# Altium PCB Mag256_9mm.PcbDoc (part 3 of 6) (continued)
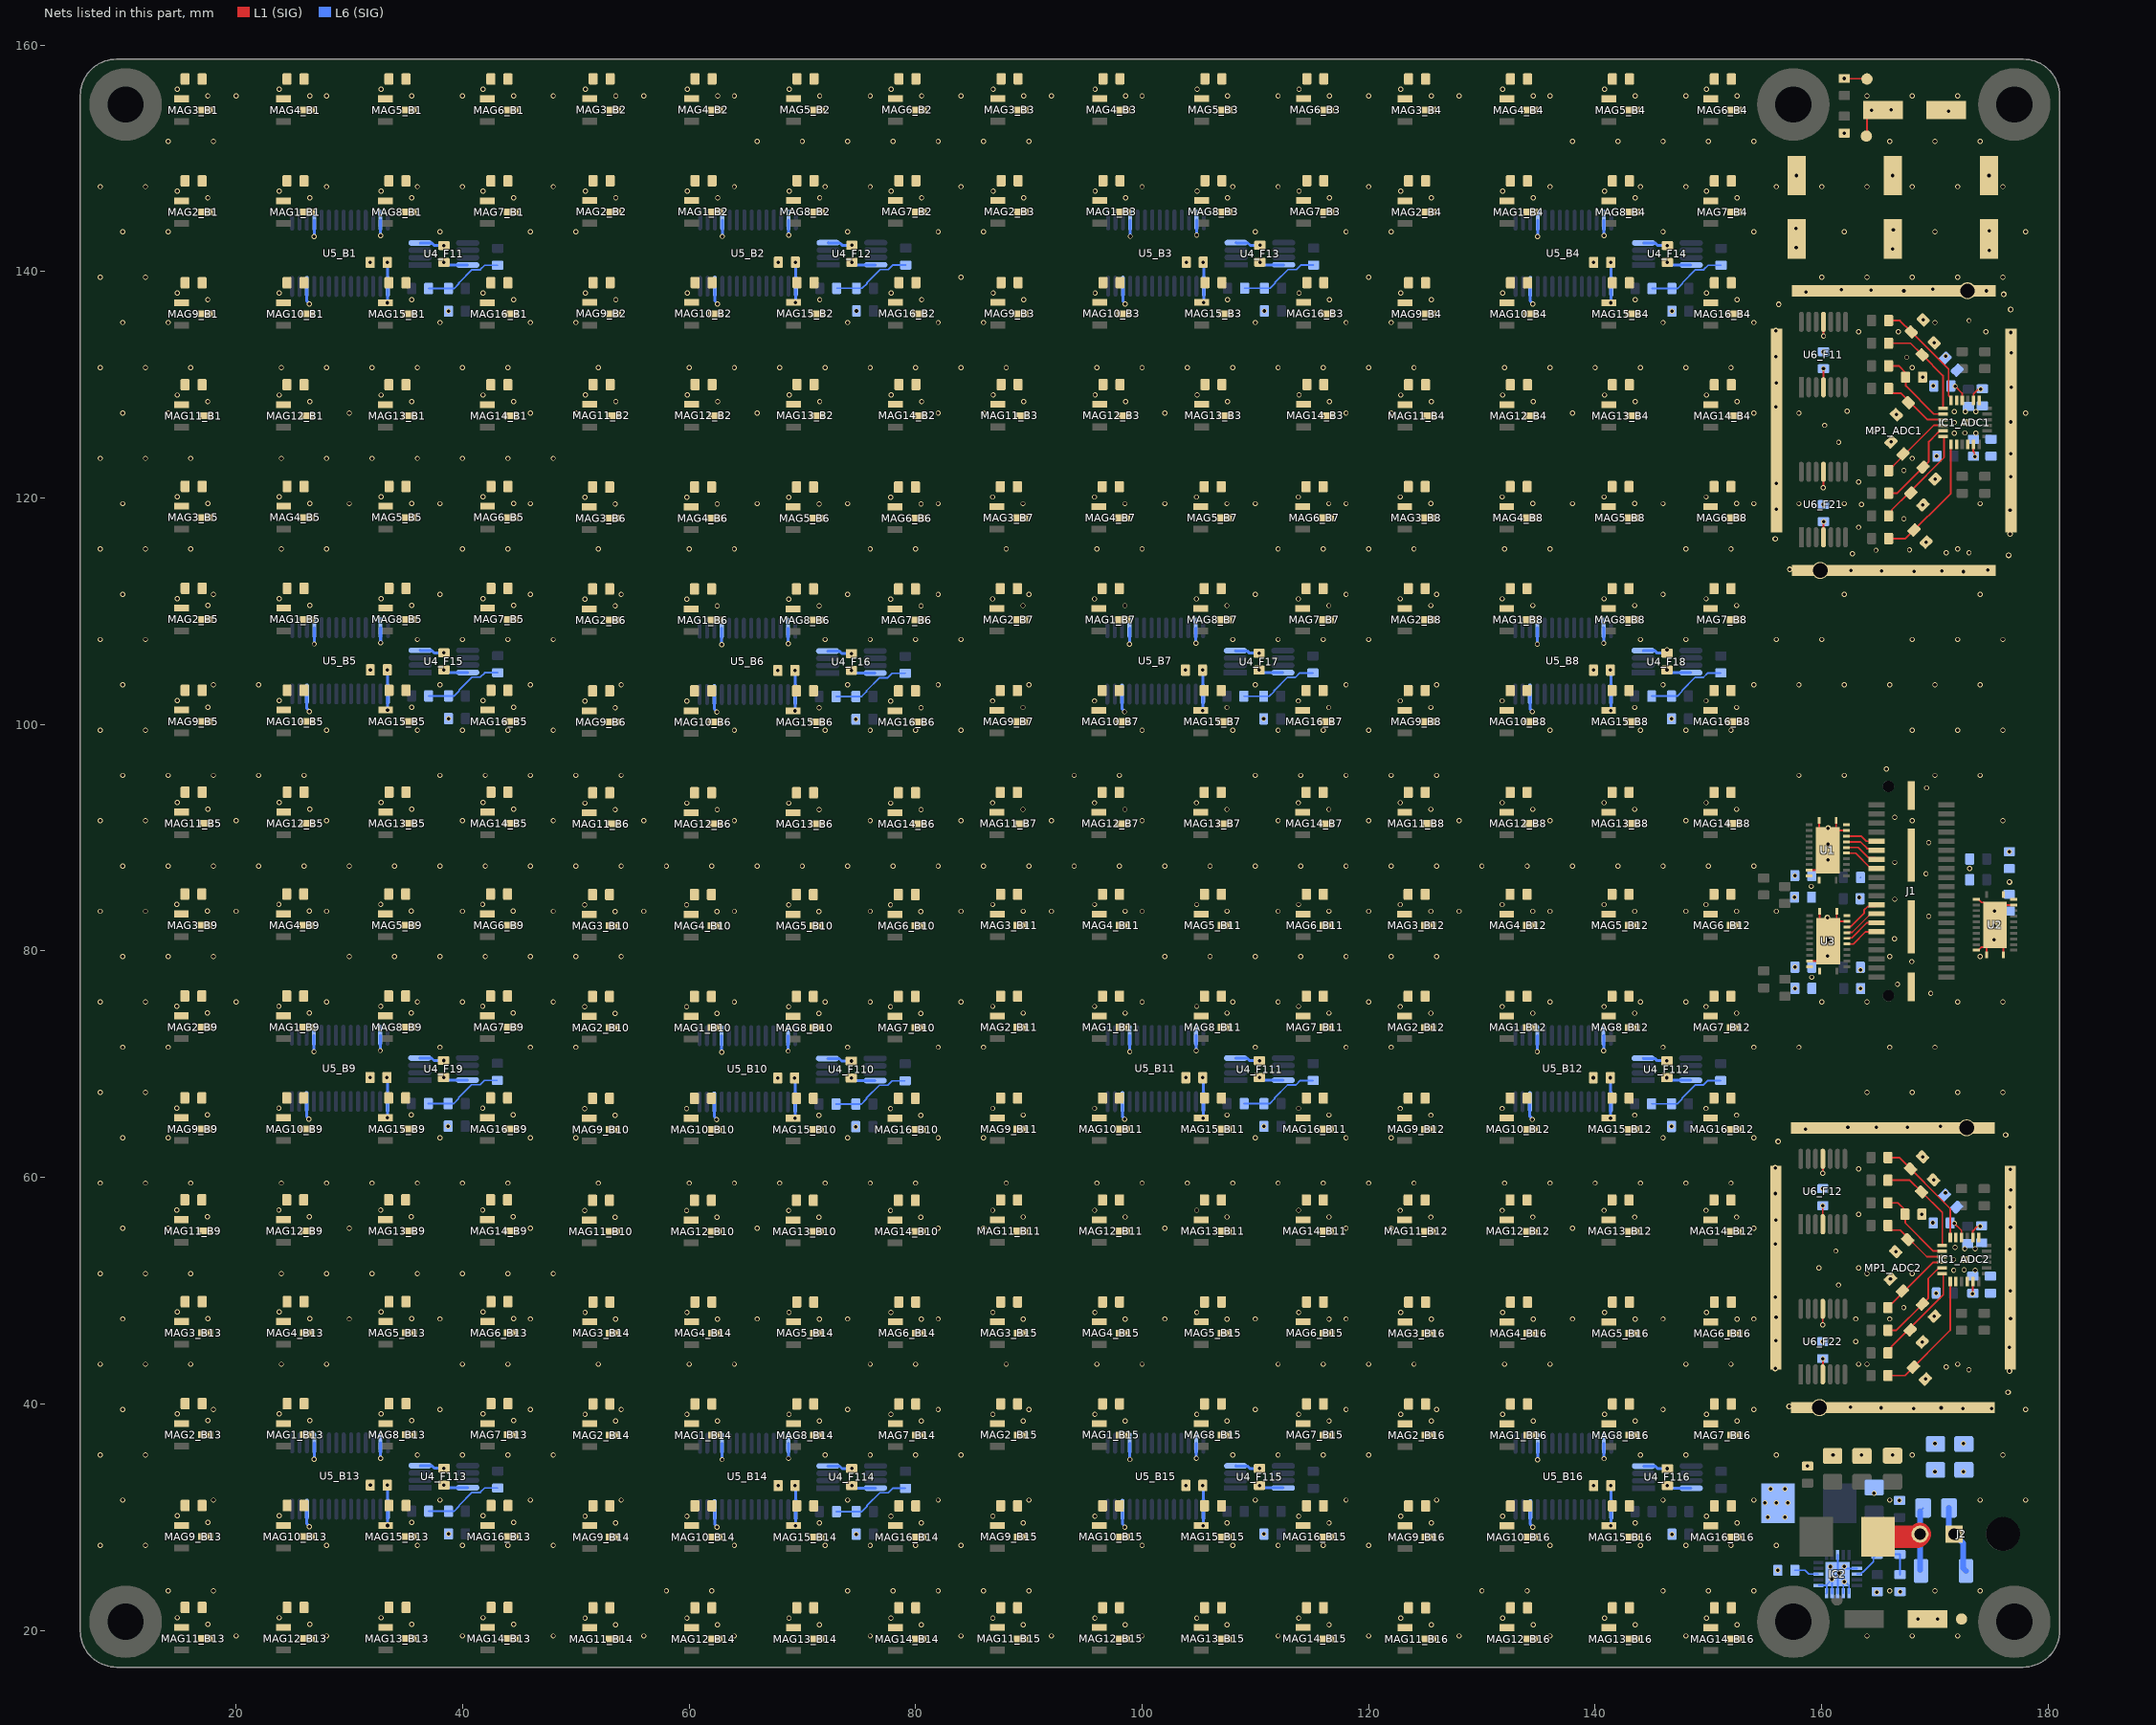
[diagram p7: the nets of this part, all layers, seen from the top]
## Nets (pads, with @x,y where several pads share a name; then routed paths per layer and width w, separated by ;. In a path a pad name is that pad's centre, name@x,y a point inside that pad or via, vN(x,y) a via of type N, cw(c..) or ccw(c..) an arc to the next point about the centre after c; other vN are vias at no path point) (continued)
  L1 (SIG) w0.152: U1.22@158.876,87.137 159.552,87.137 160.526,88.111 U1.25@160.526,88.887 ; U3.22@158.926,79.112 159.602,79.112 160.576,80.086 U3.25@160.576,80.862 ; U1.13@159.776,91.537 159.776,89.637 U1.25@160.526,88.887 ; U3.13@159.826,83.512 159.826,81.612 U3.25@160.576,80.862 ; v1(160.084,46.99) 160.092,46.998 160.092,48.383 U6_F22.11@160.1,48.391 ; U6_F12.11@160.1,61.641 160.103,61.638 160.103,60.375 v1(160.106,60.372) ; v1(160.14,120.909) 160.148,120.917 160.148,122.302 U6_F21.11@160.156,122.31 ; U6_F11.11@160.156,135.56 160.159,135.557 160.159,134.294 v1(160.162,134.291) ; U1.12@161.276,91.537 161.276,90.637 160.526,89.887 U1.25@160.526,88.887 ; U3.12@161.326,83.512 161.326,81.612 U3.25@160.576,80.862 ; U1.25@161.387,90.749 161.499,90.637 U1.10@162.176,90.637 ; U3.25@161.549,82.836 161.437,82.724 161.549,82.612 U3.10@162.226,82.612 ; U1.11@162.001,91.137 U1.11@162.176,91.137 ; v1(162,157.05) 162.02,157.03 163.97,157.03 TP2.1@164,157 ; U3.11@162.051,83.112 U3.11@162.226,83.112 ; U2.11@173.651,80.062 173.826,80.062 174.102,80.338 U2.25@174.327,80.338 ; U2.2@173.651,84.562 173.826,84.562 174.102,84.286 174.327,84.286 175.301,83.312 U2.25@175.301,83.088 ; U2.12@174.551,79.662 174.551,80.338 U2.25@174.327,80.338 ; U2.13@176.051,79.662 176.051,81.562 U2.25@175.301,82.312 ; U2.22@176.951,84.062 176.274,84.062 U2.25@175.301,83.088 ; U2.25@174.327,80.338 175.301,81.312 U2.25@175.301,82.312 ; U2.25@175.301,82.312 U2.25@175.301,83.088
  L6 (SIG) w0.152: IC2.11@159.716,23.967 160.331,23.967 160.333,23.968 160.418,23.968 IC2.21@160.455,24.006 ; IC2.10@160.416,23.267 160.455,23.306 IC2.21@160.455,24.006 ; v1(160.906,24.493) 160.455,24.042 IC2.21@160.455,24.006 ; IC2.9@160.916,23.267 160.916,24.467 IC2.21@161.416,24.967 ; IC2.8@161.416,23.267 161.416,23.968 IC2.21@161.416,24.967 ; IC2.18@161.416,26.667 IC2.21@161.416,24.967 ; IC2.7@161.916,23.267 IC2.21@161.916,24.467 ; IC2.6@162.416,23.267 162.416,23.967 IC2.21@161.916,24.467 ; IC2.2@163.116,25.467 161.916,25.467 IC2.21@161.416,24.967 ; v1(163.319,84.726) 163.319,84.694 C26.1@163.401,84.612 ; C25.1@163.413,86.475 C25.1@163.426,86.487 ; IC2.21@161.416,24.967 IC2.21@161.916,24.467
  L6 (SIG) w0.254: U5_B9.12@26.224,66.703 26.224,65.406 26.437,65.194 v1(26.437,65.141) ; U5_B1.12@26.251,138.683 26.251,137.386 26.464,137.173 v1(26.464,137.12) ; U5_B13.12@26.256,30.704 26.256,29.407 26.469,29.194 v1(26.469,29.141) ; U5_B5.12@26.257,102.703 26.257,101.406 26.47,101.193 v1(26.47,101.14) ; U5_B9.27@32.724,72.553 32.732,72.545 32.732,71.211 v1(32.74,71.203) ; U5_B1.27@32.751,144.533 32.759,144.525 32.759,143.191 v1(32.767,143.183) ; U5_B13.27@32.756,36.554 32.764,36.546 32.764,35.212 v1(32.772,35.204) ; U5_B5.27@32.757,108.553 32.765,108.545 32.765,107.211 v1(32.773,107.203) ; U4_F19.4@36.223,70.545 36.242,70.526 37.261,70.526 37.467,70.32 v1(38.323,70.32) ; U4_F11.4@36.25,142.525 36.269,142.506 37.288,142.506 37.494,142.3 v1(38.35,142.3) ; U4_F113.4@36.255,34.546 36.274,34.527 37.293,34.527 37.499,34.321 v1(38.355,34.321) ; U4_F15.4@36.256,106.545 36.275,106.526 37.294,106.526 37.5,106.32 v1(38.356,106.32) ; U5_B10.12@62.225,66.66 62.225,65.363 62.438,65.15 v1(62.438,65.097) ; U5_B6.12@62.235,102.648 62.235,101.351 62.447,101.139 v1(62.447,101.085) ; U5_B14.12@62.263,30.674 62.263,29.377 62.475,29.164 v1(62.475,29.111) ; U5_B2.12@62.28,138.701 62.28,137.403 62.492,137.191 v1(62.492,137.138) ; U5_B10.27@68.725,72.51 68.733,72.502 68.733,71.168 v1(68.741,71.16) ; U5_B6.27@68.735,108.498 68.743,108.49 68.743,107.156 v1(68.751,107.148) ; U5_B14.27@68.763,36.524 68.771,36.516 68.771,35.182 v1(68.779,35.174) ; U5_B2.27@68.78,144.551 68.788,144.543 68.788,143.209 v1(68.796,143.201) ; U4_F110.4@72.224,70.502 72.243,70.483 73.262,70.483 73.468,70.277 v1(74.324,70.277) ; U4_F16.4@72.233,106.49 72.252,106.471 73.271,106.471 73.477,106.265 v1(74.333,106.265) ; U4_F114.4@72.261,34.516 72.28,34.497 73.3,34.497 73.506,34.291 v1(74.362,34.291) ; U4_F12.4@72.278,142.543 72.297,142.524 73.317,142.524 73.523,142.318 v1(74.379,142.318) ; U5_B7.12@98.231,102.679 98.231,101.382 98.443,101.17 v1(98.443,101.117) ; U5_B11.12@98.257,66.69 98.257,65.392 98.469,65.18 v1(98.469,65.127) ; U5_B15.12@98.262,30.682 98.262,29.385 98.475,29.172 v1(98.475,29.119) ; U5_B3.12@98.299,138.702 98.299,137.405 98.511,137.193 v1(98.511,137.14) ; U5_B7.27@104.731,108.529 104.738,108.521 104.738,107.187 v1(104.746,107.179) ; U5_B11.27@104.757,72.54 104.765,72.532 104.765,71.198 v1(104.772,71.19) ; U5_B15.27@104.762,36.532 104.77,36.524 104.77,35.19 v1(104.778,35.182) ; U5_B3.27@104.799,144.552 104.807,144.545 104.807,143.211 v1(104.815,143.203) ; U4_F17.4@108.229,106.521 108.248,106.502 109.267,106.502 109.473,106.296 v1(110.329,106.296) ; U4_F111.4@108.255,70.532 108.274,70.513 109.293,70.513 109.499,70.307 v1(110.355,70.307) ; U4_F115.4@108.26,34.524 108.279,34.505 109.299,34.505 109.505,34.299 v1(110.361,34.299) ; U4_F13.4@108.297,142.545 108.316,142.526 109.336,142.526 109.542,142.32 v1(110.398,142.32) ; U5_B12.12@134.237,66.684 134.237,65.386 134.45,65.174 v1(134.45,65.121) ; U5_B8.12@134.243,102.684 134.243,101.387 134.455,101.174 v1(134.455,101.121) ; U5_B16.12@134.276,30.667 134.276,29.369 134.488,29.157 v1(134.488,29.104) ; U5_B4.12@134.274,138.683 134.274,137.386 134.487,137.174 v1(134.487,137.12) ; U5_B12.27@140.737,72.534 140.745,72.526 140.745,71.192 v1(140.753,71.184) ; U5_B8.27@140.743,108.534 140.751,108.526 140.751,107.192 v1(140.759,107.184) ; U5_B16.27@140.776,36.517 140.783,36.509 140.783,35.175 v1(140.791,35.167) ; U5_B4.27@140.774,144.533 140.782,144.525 140.782,143.191 v1(140.79,143.183) ; U4_F112.4@144.236,70.526 144.255,70.507 145.274,70.507 145.48,70.301 v1(146.336,70.301) ; U4_F18.4@144.241,106.526 144.26,106.507 145.28,106.507 145.486,106.301 146.017,106.301 146.315,106.6 v1(146.342,106.6) ; U4_F14.4@144.273,142.525 144.292,142.506 145.311,142.506 145.517,142.3 v1(146.373,142.3) ; U4_F116.4@144.274,34.509 144.293,34.49 145.312,34.49 145.518,34.284 v1(146.374,34.284)
  L6 (SIG) w0.5: C37.1@171.237,30.803 171.237,28.943 172.5,27.68 172.5,25.485 D1.A@172.735,25.25
  other v1: 20,19.5 28,19.5 40,19.5 48,19.5 56,19.5 64,19.5 76,19.5 84,19.5 92,19.5 100,19.5 112,19.5 120,19.5 128,19.5 136,19.5 148,19.5 164,19.5 168,19.5 172,19.5 53.512,20.491 62.512,20.491 71.512,20.491 80.512,20.491 125.524,20.484 134.524,20.484 143.524,20.484 152.524,20.484 17.505,20.521 26.505,20.521 35.505,20.521 44.505,20.521 89.511,20.499 98.511,20.499 107.511,20.499 116.511,20.499 168.5,21 170.25,21 166.922,23.399 14,23.5 18,23.5 58,23.5 62,23.5 74,23.5 78,23.5 82,23.5 86,23.5 90,23.5 130,23.5 134,23.5 146,23.5 150,23.5 154,23.5 166,23.5 170,23.5 174,23.5 161.99,24.285 161.544,25.038 156.111,25.296 160.776,25.622 162.006,25.63 8,27.5 12,27.5 28,27.5 36,27.5 40,27.5 44,27.5 48,27.5 64,27.5 72,27.5 76,27.5 80,27.5 84,27.5 100,27.5 108,27.5 112,27.5 116,27.5 120,27.5 136,27.5 144,27.5 148,27.5 152,27.5 156,27.5 74.762,28.491 146.774,28.484 38.755,28.521 110.761,28.499 125.524,29.484 143.524,29.484 152.524,29.484 53.512,29.491 71.512,29.491 80.512,29.491 89.511,29.499 107.511,29.499 116.511,29.499 17.505,29.521 35.505,29.521 44.505,29.521 166.872,31.471 10,31.5 18,31.5 38,31.5 46,31.5 54,31.5 74,31.5 82,31.5 90,31.5 110,31.5 118,31.5 126,31.5 146,31.5 154,31.5 166,31.5 174,31.5 178,31.5 164.633,32.107 139.874,32.784 67.862,32.791 103.861,32.799 31.855,32.821 170,34 172.5,34 158.75,34.5 8,35.5 12,35.5 36,35.5 40,35.5 44,35.5 48,35.5 72,35.5 76,35.5 80,35.5 84,35.5 108,35.5 112,35.5 116,35.5 120,35.5 144,35.5 148,35.5 156,35.5 161,35.5 163.5,35.5 166.25,35.5 168,35.5 176,35.5 53.512,38.491 62.512,38.491 71.512,38.491 80.512,38.491 89.511,38.499 98.511,38.499 107.511,38.499 116.511,38.499 125.524,38.484 134.524,38.484 143.524,38.484 152.524,38.484 17.505,38.521 26.505,38.521 35.505,38.521 44.505,38.521 10,39.5 18,39.5 38,39.5 46,39.5 54,39.5 74,39.5 82,39.5 90,39.5 110,39.5 118,39.5 126,39.5 146,39.5 154,39.5 178,39.5 169.161,42.189 173,43 171,43.25 8,43.5 12,43.5 16,43.5 24,43.5 28,43.5 40,43.5 44,43.5 52,43.5 60,43.5 64,43.5 76,43.5 80,43.5 88,43.5 96,43.5 100,43.5 112,43.5 116,43.5 120,43.5 124,43.5 132,43.5 136,43.5 148,43.5 152,43.5 163.25,43.5 164,43.5 172,43.5 168.88,45.47 160.1,45.5 163,45.5 53.512,47.491 62.512,47.491 71.512,47.491 80.512,47.491 125.524,47.484 134.524,47.484 143.524,47.484 152.524,47.484 10,47.5 17.505,47.521 26.505,47.521 30,47.5 35.505,47.521 38,47.5 44.505,47.521 46,47.5 66,47.5 74,47.5 82,47.5 89.511,47.499 98.511,47.499 102,47.5 107.511,47.499 110,47.5 116.511,47.499 118,47.5 138,47.5 146,47.5 154,47.5 163,47.5 166,47.5 169.955,47.748 167.25,48.5 170.095,49.779 161.5,50.5 166.07,51.03 8,51.5 12,51.5 16,51.5 24,51.5 28,51.5 32,51.5 36,51.5 40,51.5 44,51.5 48,51.5 164,51.5 168,51.5 171.65,51.8 173.55,51.8 172.575,51.825 159.75,52 163.25,52 171.65,52.75 172.6,52.75 173.5,52.75 166.539,53.439 161.25,53.5 172.625,53.7 173.55,53.7 171.775,53.825 10,55.5 14,55.5 30,55.5 46,55.5 66,55.5 82,55.5 86,55.5 102,55.5 118,55.5 122,55.5 138,55.5 154,55.5 169.8,56 53.474,56.477 62.474,56.477 71.474,56.477 80.474,56.477 89.505,56.507 98.505,56.507 107.505,56.507 116.505,56.507 125.486,56.501 134.486,56.501 143.486,56.501 152.486,56.501 17.473,56.52 26.473,56.52 35.473,56.52 44.473,56.52 163.25,56.75 168.85,56.75 170.931,58.656 160.1,59 8,59.5 12,59.5 16,59.5 24,59.5 28,59.5 32,59.5 36,59.5 40,59.5 44,59.5 52,59.5 60,59.5 64,59.5 68,59.5 72,59.5 76,59.5 80,59.5 88,59.5 96,59.5 100,59.5 104,59.5 108,59.5 112,59.5 116,59.5 120,59.5 124,59.5 132,59.5 136,59.5 140,59.5 144,59.5 148,59.5 152,59.5 169.88,59.78 163.25,60.75 168.911,61.811 10,63.5 14,63.5 38,63.5 46,63.5 50,63.5 74,63.5 82,63.5 86,63.5 110,63.5 118,63.5 122,63.5 146,63.5 154,63.5 74.724,64.477 110.755,64.507 146.736,64.501 38.723,64.52 53.474,65.477 71.474,65.477 80.474,65.477 125.486,65.501 143.486,65.501 152.486,65.501 17.473,65.52 35.473,65.52 44.473,65.52 89.505,65.507 107.505,65.507 116.505,65.507 8,67.5 12,67.5 164,67.5 168,67.5 172,67.5 176,67.5 67.824,68.777 103.855,68.807 139.836,68.801 31.823,68.82 10,71.5 14,71.5 38,71.5 46,71.5 50,71.5 74,71.5 82,71.5 86,71.5 110,71.5 118,71.5 122,71.5 146,71.5 154,71.5 158,71.5 166,71.5 170,71.5 53.474,74.477 62.474,74.477 71.474,74.477 80.474,74.477 17.473,74.52 26.473,74.52 35.473,74.52 44.473,74.52 89.505,74.507 98.505,74.507 107.505,74.507 116.505,74.507 125.486,74.501 134.486,74.501 143.486,74.501 152.486,74.501 8,75.5 12,75.5 20,75.5 28,75.5 36,75.5 40,75.5 48,75.5 64,75.5 72,75.5 76,75.5 84,75.5 100,75.5 108,75.5 112,75.5 120,75.5 136,75.5 144,75.5 148,75.5 160,75.5 164,75.5 172,75.5 176,75.5 169.626,76.267 163.44,76.68 157.636,76.694 166.701,77.062 163.426,78.337 157.637,78.569 167.951,79.062 10,79.5 14,79.5 18,79.5 30,79.5 34,79.5 38,79.5 42,79.5 46,79.5 50,79.5 54,79.5 102,79.5 106,79.5 110,79.5 114,79.5 118,79.5 122,79.5 126,79.5 166,79.5 174,79.5 166.429,81.074 169.451,83.062 53.474,83.477 62.474,83.477 71.474,83.477 80.474,83.477 8,83.5 12,83.5 20,83.5 28,83.5 40,83.5 48,83.5 56,83.5 64,83.5 76,83.5 84,83.5 89.505,83.507 92,83.5 98.505,83.507 100,83.5 107.505,83.507 112,83.5 116.505,83.507 120,83.5 125.486,83.501 128,83.5 134.486,83.501 136,83.5 143.486,83.501 148,83.5 152.486,83.501 156,83.5 17.473,83.52 26.473,83.52 35.473,83.52 44.473,83.52 166.451,84.562 157.6,84.746 157.625,86.646 169.201,86.812 173.076,87.287 10,87.5 14,87.5 18,87.5 22,87.5 26,87.5 30,87.5 34,87.5 38,87.5 42,87.5 46,87.5 50,87.5 54,87.5 58,87.5 62,87.5 66,87.5 70,87.5 74,87.5 78,87.5 82,87.5 86,87.5 90,87.5 94,87.5 98,87.5 102,87.5 106,87.5 110,87.5 114,87.5 118,87.5 122,87.5 126,87.5 130,87.5 134,87.5 138,87.5 142,87.5 146,87.5 150,87.5 154,87.5 166.451,87.812 176.576,88.762 169.451,89.562 8,91.5 12,91.5 20,91.5 28,91.5 40,91.5 48,91.5 56,91.5 64,91.5 76,91.5 84,91.5 92,91.5 100,91.5 112,91.5 120,91.5 128,91.5 136,91.5 148,91.5 168,91.5 176,91.5 166.451,91.812 53.483,92.465 62.483,92.465 71.483,92.465 80.483,92.465 89.479,92.496 98.479,92.496 107.479,92.496 116.479,92.496 125.492,92.501 134.492,92.501 143.492,92.501 152.492,92.501 17.506,92.52 26.506,92.52 35.506,92.52 44.506,92.52 169.264,94.398 10,95.5 14,95.5 18,95.5 22,95.5 26,95.5 38,95.5 42,95.5 46,95.5 50,95.5 54,95.5 94,95.5 98,95.5 110,95.5 114,95.5 118,95.5 122,95.5 126,95.5 158,95.5 162,95.5 170,95.5 174,95.5 165.701,96.062 8,99.5 12,99.5 28,99.5 36,99.5 40,99.5 44,99.5 48,99.5 64,99.5 72,99.5 76,99.5 80,99.5 84,99.5 100,99.5 108,99.5 112,99.5 116,99.5 120,99.5 136,99.5 144,99.5 148,99.5 152,99.5 168,99.5 172,99.5 176,99.5 74.733,100.465 110.729,100.496 146.742,100.501 38.756,100.52 53.483,101.465 71.483,101.465 80.483,101.465 89.479,101.496 107.479,101.496 116.479,101.496 17.506,101.52 35.506,101.52 44.506,101.52 125.492,101.501 143.492,101.501 152.492,101.501 10,103.5 18,103.5 22,103.5 38,103.5 46,103.5 54,103.5 74,103.5 82,103.5 90,103.5 110,103.5 118,103.5 126,103.5 146,103.5 154,103.5 158,103.5 162,103.5 166,103.5 170,103.5 174,103.5 67.833,104.765 103.829,104.796 31.856,104.82 139.842,104.801 8,107.5 12,107.5 36,107.5 40,107.5 44,107.5 48,107.5 72,107.5 76,107.5 80,107.5 84,107.5 108,107.5 112,107.5 116,107.5 120,107.5 144,107.5 148,107.5 156,107.5 160,107.5 168,107.5 172,107.5 176,107.5 53.483,110.465 62.483,110.465 71.483,110.465 80.483,110.465 89.479,110.496 98.479,110.496 107.479,110.496 116.479,110.496 125.492,110.501 134.492,110.501 143.492,110.501 152.492,110.501 17.506,110.52 26.506,110.52 35.506,110.52 44.506,110.52 10,111.5 18,111.5 38,111.5 46,111.5 54,111.5 74,111.5 82,111.5 90,111.5 110,111.5 118,111.5 126,111.5 146,111.5 162,111.5 174,111.5 162.721,115.083 171.006,115.169 173.006,115.169 164.801,115.393 167.756,115.419 8,115.5 12,115.5 16,115.5 24,115.5 28,115.5 40,115.5 44,115.5 52,115.5 60,115.5 64,115.5 76,115.5 80,115.5 88,115.5 96,115.5 100,115.5 112,115.5 116,115.5 120,115.5 124,115.5 132,115.5 136,115.5 148,115.5 152,115.5 172,115.5 169.217,116.108 163.256,117.419 167.256,118.169 168.936,119.388 160.156,119.419 163.506,119.419 53.483,119.465 62.483,119.465 71.483,119.465 80.483,119.465 10,119.5 30,119.5 38,119.5 46,119.5 66,119.5 74,119.5 82,119.5 89.479,119.496 98.479,119.496 102,119.5 107.479,119.496 110,119.5 116.479,119.496 118,119.5 125.492,119.501 134.492,119.501 138,119.5 143.492,119.501 146,119.5 152.492,119.501 154,119.5 158,119.5 162,119.5 174,119.5 17.506,119.52 26.506,119.52 35.506,119.52 44.506,119.52 163.256,121.419 170.011,121.667 167.256,122.419 8,123.5 12,123.5 16,123.5 24,123.5 28,123.5 32,123.5 36,123.5 40,123.5 44,123.5 48,123.5 168,123.5 170.151,123.698 161.506,124.919 166.126,124.949 171.706,125.719 173.606,125.719 172.631,125.744 164.506,125.919 160.256,126.419 171.706,126.669 172.656,126.669 173.556,126.669 166.595,127.358 10,127.5 14,127.5 30,127.5 46,127.5 50,127.5 66,127.5 82,127.5 86,127.5 102,127.5 118,127.5 122,127.5 138,127.5 154,127.5 158,127.5 178,127.5 171.706,127.619 172.681,127.619 173.606,127.619 162.256,127.669 17.5,128.5 26.5,128.5 35.5,128.5 44.5,128.5 53.529,128.518 62.529,128.518 71.529,128.518 80.529,128.518 89.548,128.52 98.548,128.52 107.548,128.52 116.548,128.52 125.523,128.5 134.523,128.5 143.523,128.5 152.523,128.5 176.731,129.769 169.856,129.919 168.906,130.669 8,131.5 12,131.5 16,131.5 24,131.5 28,131.5 32,131.5 36,131.5 40,131.5 44,131.5 52,131.5 60,131.5 64,131.5 68,131.5 72,131.5 76,131.5 80,131.5 84,131.5 88,131.5 96,131.5 100,131.5 104,131.5 108,131.5 112,131.5 116,131.5 120,131.5 124,131.5 132,131.5 136,131.5 140,131.5 144,131.5 148,131.5 152,131.5 168,131.5 167.506,132.419 170.956,132.544 160.156,132.919 169.936,133.699 163.256,134.669 166.756,134.669 174.506,134.669 10,135.5 14,135.5 38,135.5 46,135.5 50,135.5 74,135.5 82,135.5 86,135.5 110,135.5 118,135.5 122,135.5 146,135.5 154,135.5 170,135.5 173.006,135.669 168.967,135.729 38.75,136.5 74.779,136.518 110.798,136.52 146.773,136.5 17.5,137.5 35.5,137.5 44.5,137.5 125.523,137.5 143.523,137.5 152.523,137.5 53.529,137.518 71.529,137.518 80.529,137.518 89.548,137.52 107.548,137.52 116.548,137.52 8,139.5 12,139.5 84,139.5 120,139.5 160,139.5 164,139.5 168,139.5 172,139.5 176,139.5 31.85,140.8 139.873,140.8 67.879,140.818 103.898,140.82 10,143.5 14,143.5 38,143.5 46,143.5 50,143.5 74,143.5 82,143.5 86,143.5 110,143.5 118,143.5 122,143.5 146,143.5 154,143.5 162,143.5 170,143.5 178,143.5 17.5,146.5 26.5,146.5 35.5,146.5 44.5,146.5 125.523,146.5 134.523,146.5 143.523,146.5 152.523,146.5 53.529,146.518 62.529,146.518 71.529,146.518 80.529,146.518 89.548,146.52 98.548,146.52 107.548,146.52 116.548,146.52 8,147.5 12,147.5 28,147.5 36,147.5 40,147.5 48,147.5 64,147.5 72,147.5 76,147.5 84,147.5 100,147.5 108,147.5 112,147.5 120,147.5 136,147.5 144,147.5 148,147.5 156,147.5 160,147.5 164,147.5 168,147.5 172,147.5 176,147.5 14,151.5 18,151.5 66,151.5 70,151.5 74,151.5 78,151.5 82,151.5 86,151.5 90,151.5 138,151.5 142,151.5 146,151.5 150,151.5 154,151.5 166,151.5 170,151.5 174,151.5 17.5,155.5 20,155.5 26.5,155.5 28,155.5 35.5,155.5 40,155.5 44.5,155.5 48,155.5 53.529,155.518 56,155.5 62.529,155.518 64,155.5 71.529,155.518 76,155.5 80.529,155.518 84,155.5 89.548,155.52 92,155.5 98.548,155.52 100,155.5 107.548,155.52 112,155.5 116.548,155.52 120,155.5 125.523,155.5 128,155.5 134.523,155.5 136,155.5 143.523,155.5 148,155.5 152.523,155.5 164,155.5 168,155.5 172,155.5
  other v2: 172.475,39.575 175,39.575 168.125,39.6 165.25,39.65 170.55,39.65 162.525,39.7 157.125,39.775 176.45,41.025 176.575,42.9 155.9,43.125 176.575,45 155.95,45.575 176.675,47.525 155.975,47.65 155.925,49.425 176.65,49.975 176.6,53.65 155.9,54.125 176.675,55.6 155.95,56.225 176.625,57.375 155.9,58.575 176.7,58.9 176.65,60.7 155.9,60.85 156.15,63.175 176.25,63.75 158.575,64.275 162.313,64.411 164.813,64.411 167.563,64.411 170.5,64.5 160.525,79.541 160.542,80.965 175.226,80.987 175.226,82.237 160.498,82.941 175.251,83.512 160.54,88.031 160.557,89.446 160.565,90.844 172.531,113.494 168.181,113.519 165.306,113.569 170.606,113.569 162.581,113.619 174.656,113.644 157.181,113.694 176.506,114.944 155.904,116.387 176.631,116.819 176.631,118.919 156,119 156.01,121.277 176.706,121.869 176.706,123.894 176.706,126.719 155.956,128.044 156.006,130.144 155.956,132.494 176.756,132.819 176.706,134.619 155.956,134.769 176.681,136.644 156.206,137.094 176.081,137.994 158.631,138.194 167.256,138.294 174.556,138.294 164.356,138.344 161.756,138.394 169.806,138.444 157.775,148.475 166.275,148.475 174.775,148.475 171.2,154.15
NetC45_1: C45.1 IC2.3 R9.1 R11.2 | length 6.5
  L6 (SIG) w0.152: IC2.3@163.116,24.967 163.416,24.967 163.601,25.152 163.635,25.152 164.565,26.082 164.565,26.393 164.887,26.715 C45.1@164.889,26.715 R9.1@166.904,26.715 166.91,26.709 166.91,24.923 R11.2@166.916,24.917
NetC48_2: C48.2 IC2.13 | length 2.2
  L6 (SIG) w0.152: C48.2@157.629,25.305 158.515,25.305 158.852,24.967 IC2.13@159.716,24.967
NetC53_F11_1: C53_F11.1 R13_F11.1 R14_F11.2 | length 7
  L6 (SIG) w0.152: R13_F11.1@37,138.5 R14_F11.2@38.75,138.5 39.25,138.5 39.685,138.935 39.685,139.01 40.835,140.16 41.561,140.16 41.952,140.55 C53_F11.1@43.1,140.55
NetC53_F12_1: C53_F12.1 R13_F12.1 R14_F12.2 | length 7
  L6 (SIG) w0.152: R13_F12.1@73.029,138.518 R14_F12.2@74.779,138.518 75.279,138.518 75.714,138.953 75.714,139.027 76.864,140.178 77.59,140.178 77.98,140.568 C53_F12.1@79.129,140.568
NetC53_F13_1: C53_F13.1 R13_F13.1 R14_F13.2 | length 7
  L6 (SIG) w0.152: R13_F13.1@109.048,138.52 R14_F13.2@110.798,138.52 111.298,138.52 111.733,138.954 111.733,139.029 112.883,140.179 113.609,140.179 113.999,140.57 C53_F13.1@115.148,140.57
NetC53_F14_1: C53_F14.1 R13_F14.1 R14_F14.2 | length 7
  L6 (SIG) w0.152: R13_F14.1@145.023,138.5 R14_F14.2@146.773,138.5 147.273,138.5 147.708,138.935 147.708,139.01 148.858,140.16 149.584,140.16 149.975,140.55 C53_F14.1@151.123,140.55
NetC53_F15_1: C53_F15.1 R13_F15.1 R14_F15.2 | length 7
  L6 (SIG) w0.152: R13_F15.1@37.006,102.52 R14_F15.2@38.756,102.52 39.256,102.52 39.691,102.955 39.691,103.03 40.841,104.18 41.567,104.18 41.958,104.57 C53_F15.1@43.106,104.57
NetC53_F16_1: C53_F16.1 R13_F16.1 R14_F16.2 | length 7
  L6 (SIG) w0.152: R13_F16.1@72.983,102.465 R14_F16.2@74.733,102.465 75.233,102.465 75.668,102.9 75.668,102.975 76.818,104.125 77.545,104.125 77.935,104.515 C53_F16.1@79.083,104.515
NetC53_F17_1: C53_F17.1 R13_F17.1 R14_F17.2 | length 7
  L6 (SIG) w0.152: R13_F17.1@108.979,102.496 R14_F17.2@110.729,102.496 111.229,102.496 111.664,102.931 111.664,103.006 112.814,104.156 113.541,104.156 113.931,104.546 C53_F17.1@115.079,104.546
NetC53_F18_1: C53_F18.1 R13_F18.1 R14_F18.2 | length 7
  L6 (SIG) w0.152: R13_F18.1@144.992,102.501 R14_F18.2@146.742,102.501 147.242,102.501 147.677,102.936 147.677,103.011 148.827,104.161 149.553,104.161 149.943,104.551 C53_F18.1@151.092,104.551
NetC53_F19_1: C53_F19.1 R13_F19.1 R14_F19.2 | length 7
  L6 (SIG) w0.152: R13_F19.1@36.973,66.52 R14_F19.2@38.723,66.52 39.223,66.52 39.658,66.955 39.658,67.03 40.808,68.18 41.535,68.18 41.925,68.57 C53_F19.1@43.073,68.57
NetC53_F110_1: C53_F110.1 R13_F110.1 R14_F110.2 | length 7
  L6 (SIG) w0.152: R13_F110.1@72.974,66.477 R14_F110.2@74.724,66.477 75.224,66.477 75.659,66.912 75.659,66.987 76.809,68.137 77.535,68.137 77.926,68.527 C53_F110.1@79.074,68.527
NetC53_F111_1: C53_F111.1 R13_F111.1 R14_F111.2 | length 7
  L6 (SIG) w0.152: R13_F111.1@109.005,66.507 R14_F111.2@110.755,66.507 111.255,66.507 111.69,66.942 111.69,67.016 112.84,68.167 113.567,68.167 113.957,68.557 C53_F111.1@115.105,68.557
NetC53_F112_1: C53_F112.1 R13_F112.1 R14_F112.2 | length 7
  L6 (SIG) w0.152: R13_F112.1@144.986,66.501 R14_F112.2@146.736,66.501 147.236,66.501 147.671,66.935 147.671,67.01 148.821,68.16 149.547,68.16 149.938,68.551 C53_F112.1@151.086,68.551
NetC53_F113_1: C53_F113.1 R13_F113.1 R14_F113.2 | length 7
  L6 (SIG) w0.152: R13_F113.1@37.005,30.521 R14_F113.2@38.755,30.521 39.255,30.521 39.69,30.956 39.69,31.031 40.84,32.181 41.566,32.181 41.957,32.571 C53_F113.1@43.105,32.571
NetC53_F114_1: C53_F114.1 R13_F114.1 R14_F114.2 | length 7
  L6 (SIG) w0.152: R13_F114.1@73.012,30.491 R14_F114.2@74.762,30.491 75.262,30.491 75.697,30.926 75.697,31.001 76.847,32.151 77.573,32.151 77.963,32.541 C53_F114.1@79.112,32.541